# Altium PCB display.PcbDoc (part 1 of 5)
Units mm, origin at the board's own origin, x right, y up, seen from the top; angles counter-clockwise.
Board outline 150 x 85 mm, 4 copper layers (Component Side, Inner, GND1, Bottom Layer), stack 1.669 mm thick; 347 components, 347 nets, 1334 pads, 795 vias.
Unrouted connection lines stored in the file: 15.
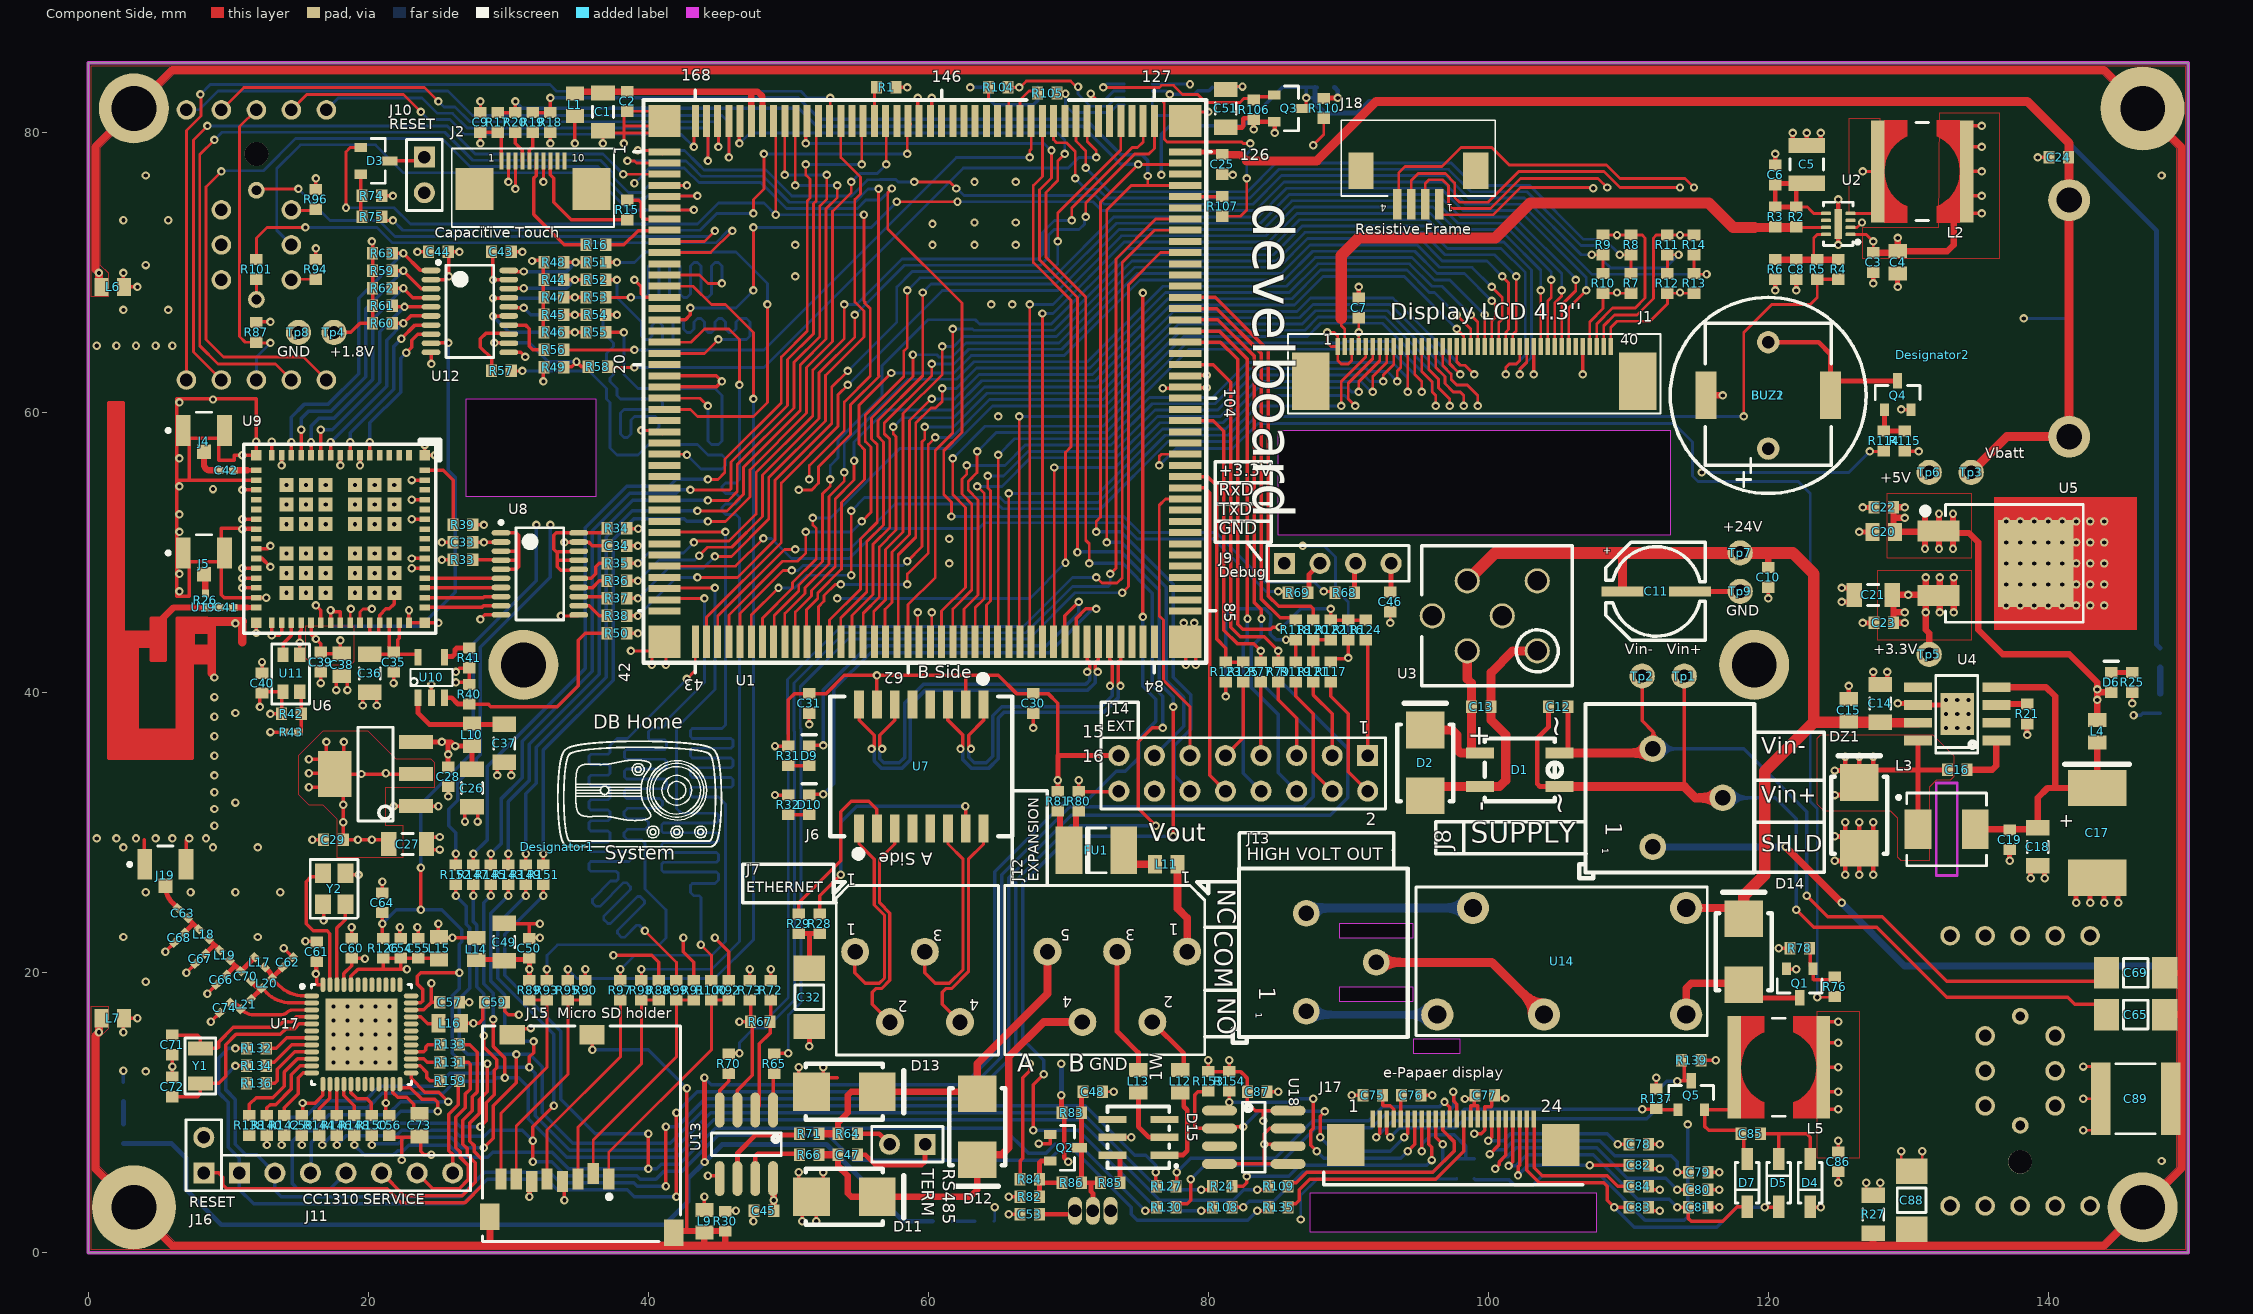
[diagram p0: Component Side view]
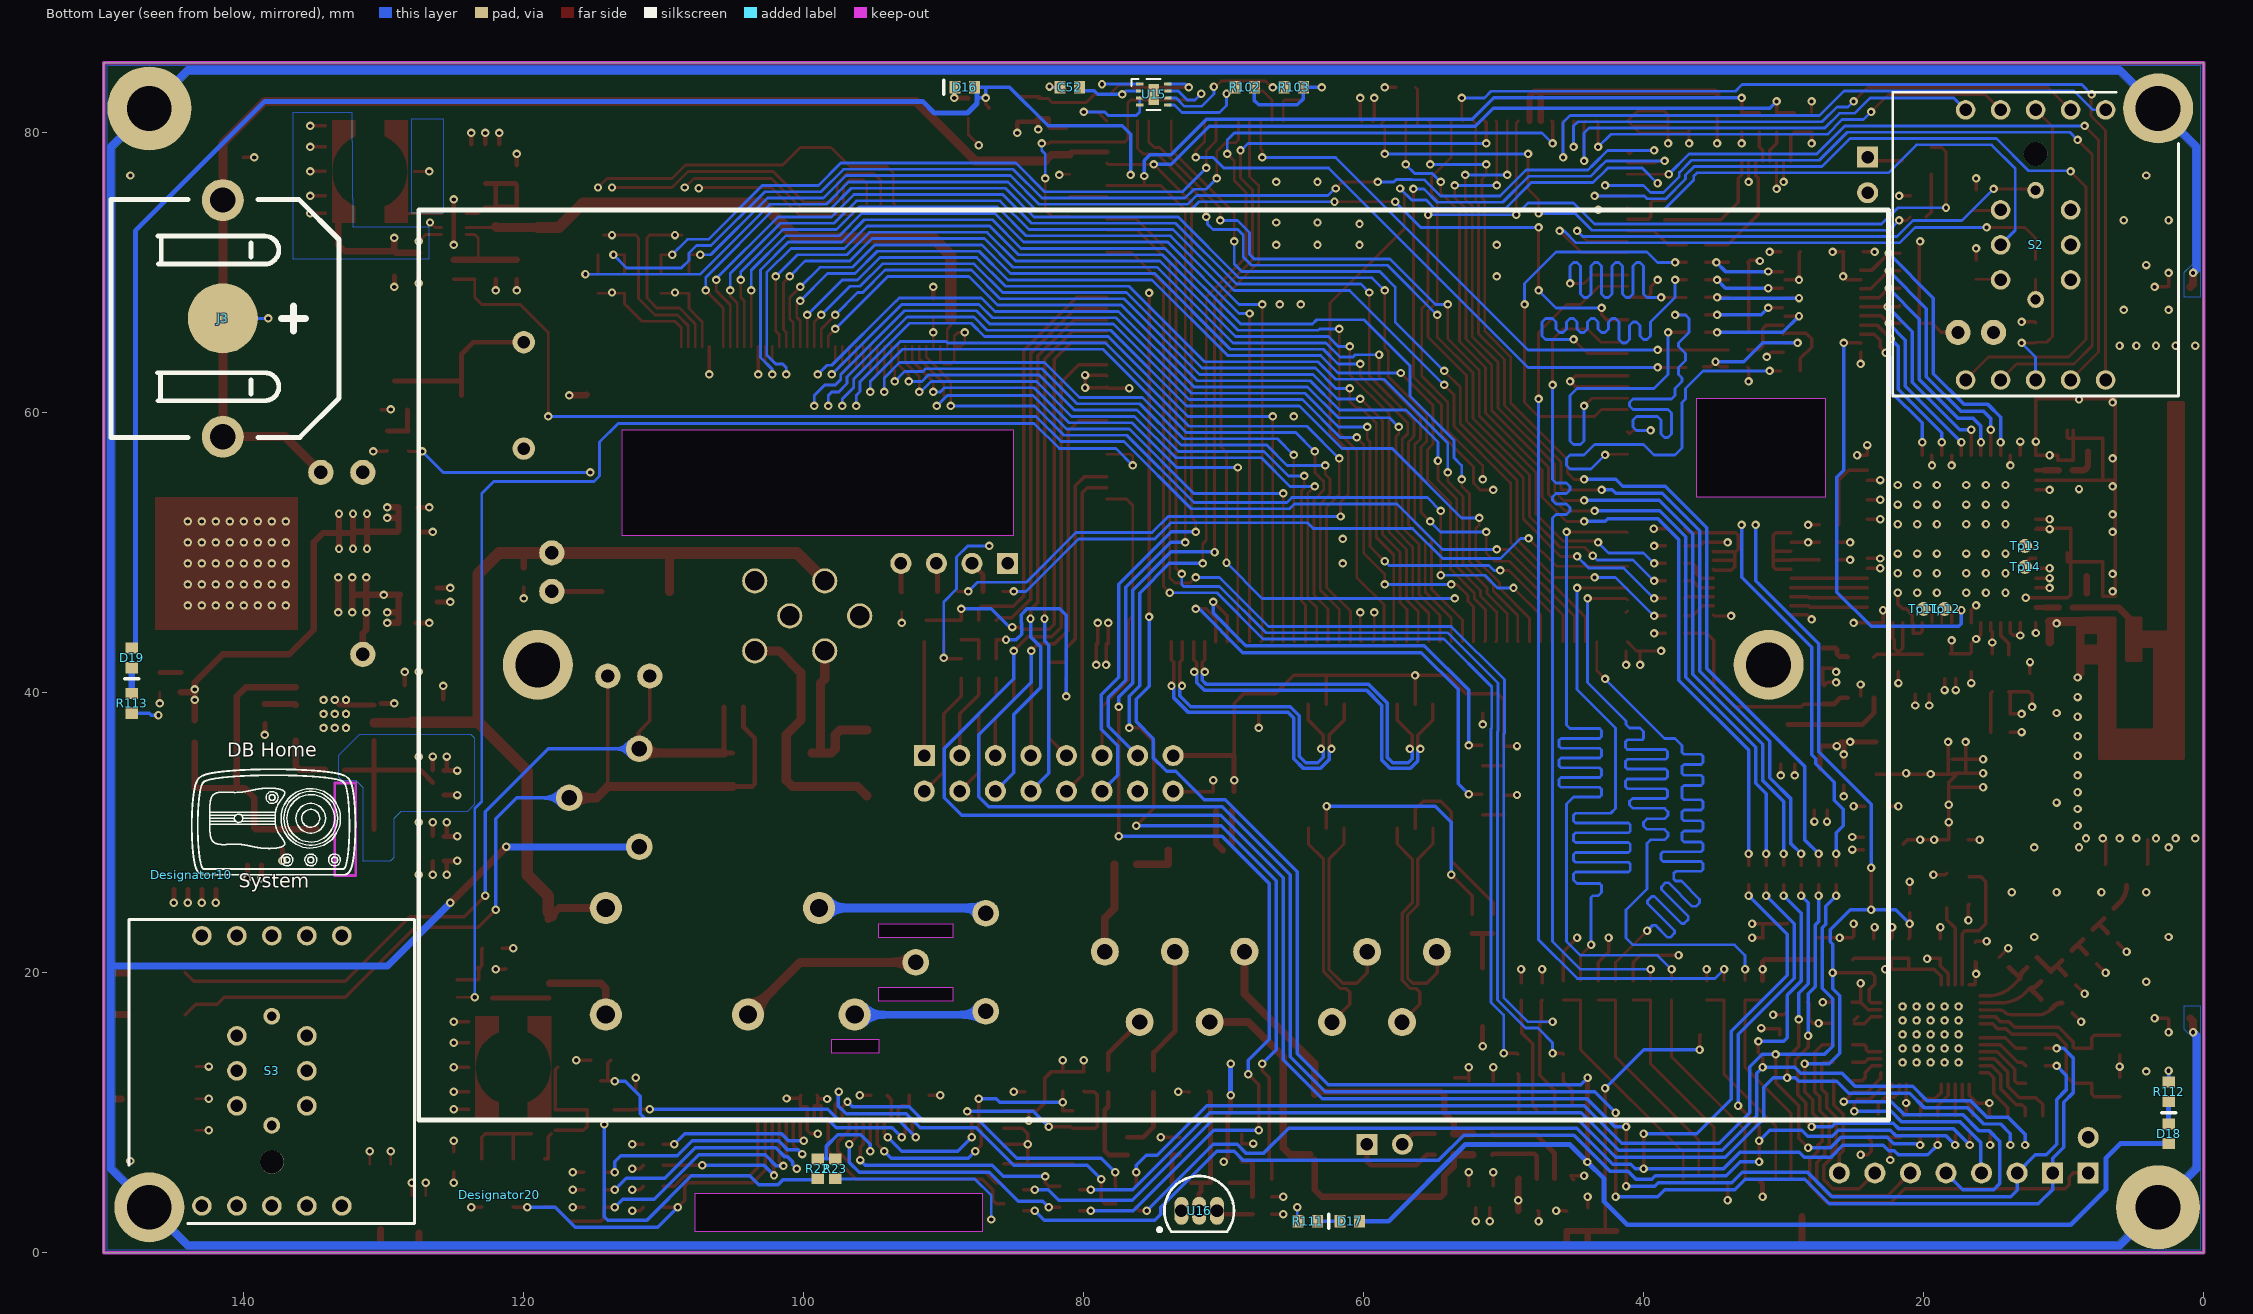
[diagram p1: Bottom Layer view, seen from below]
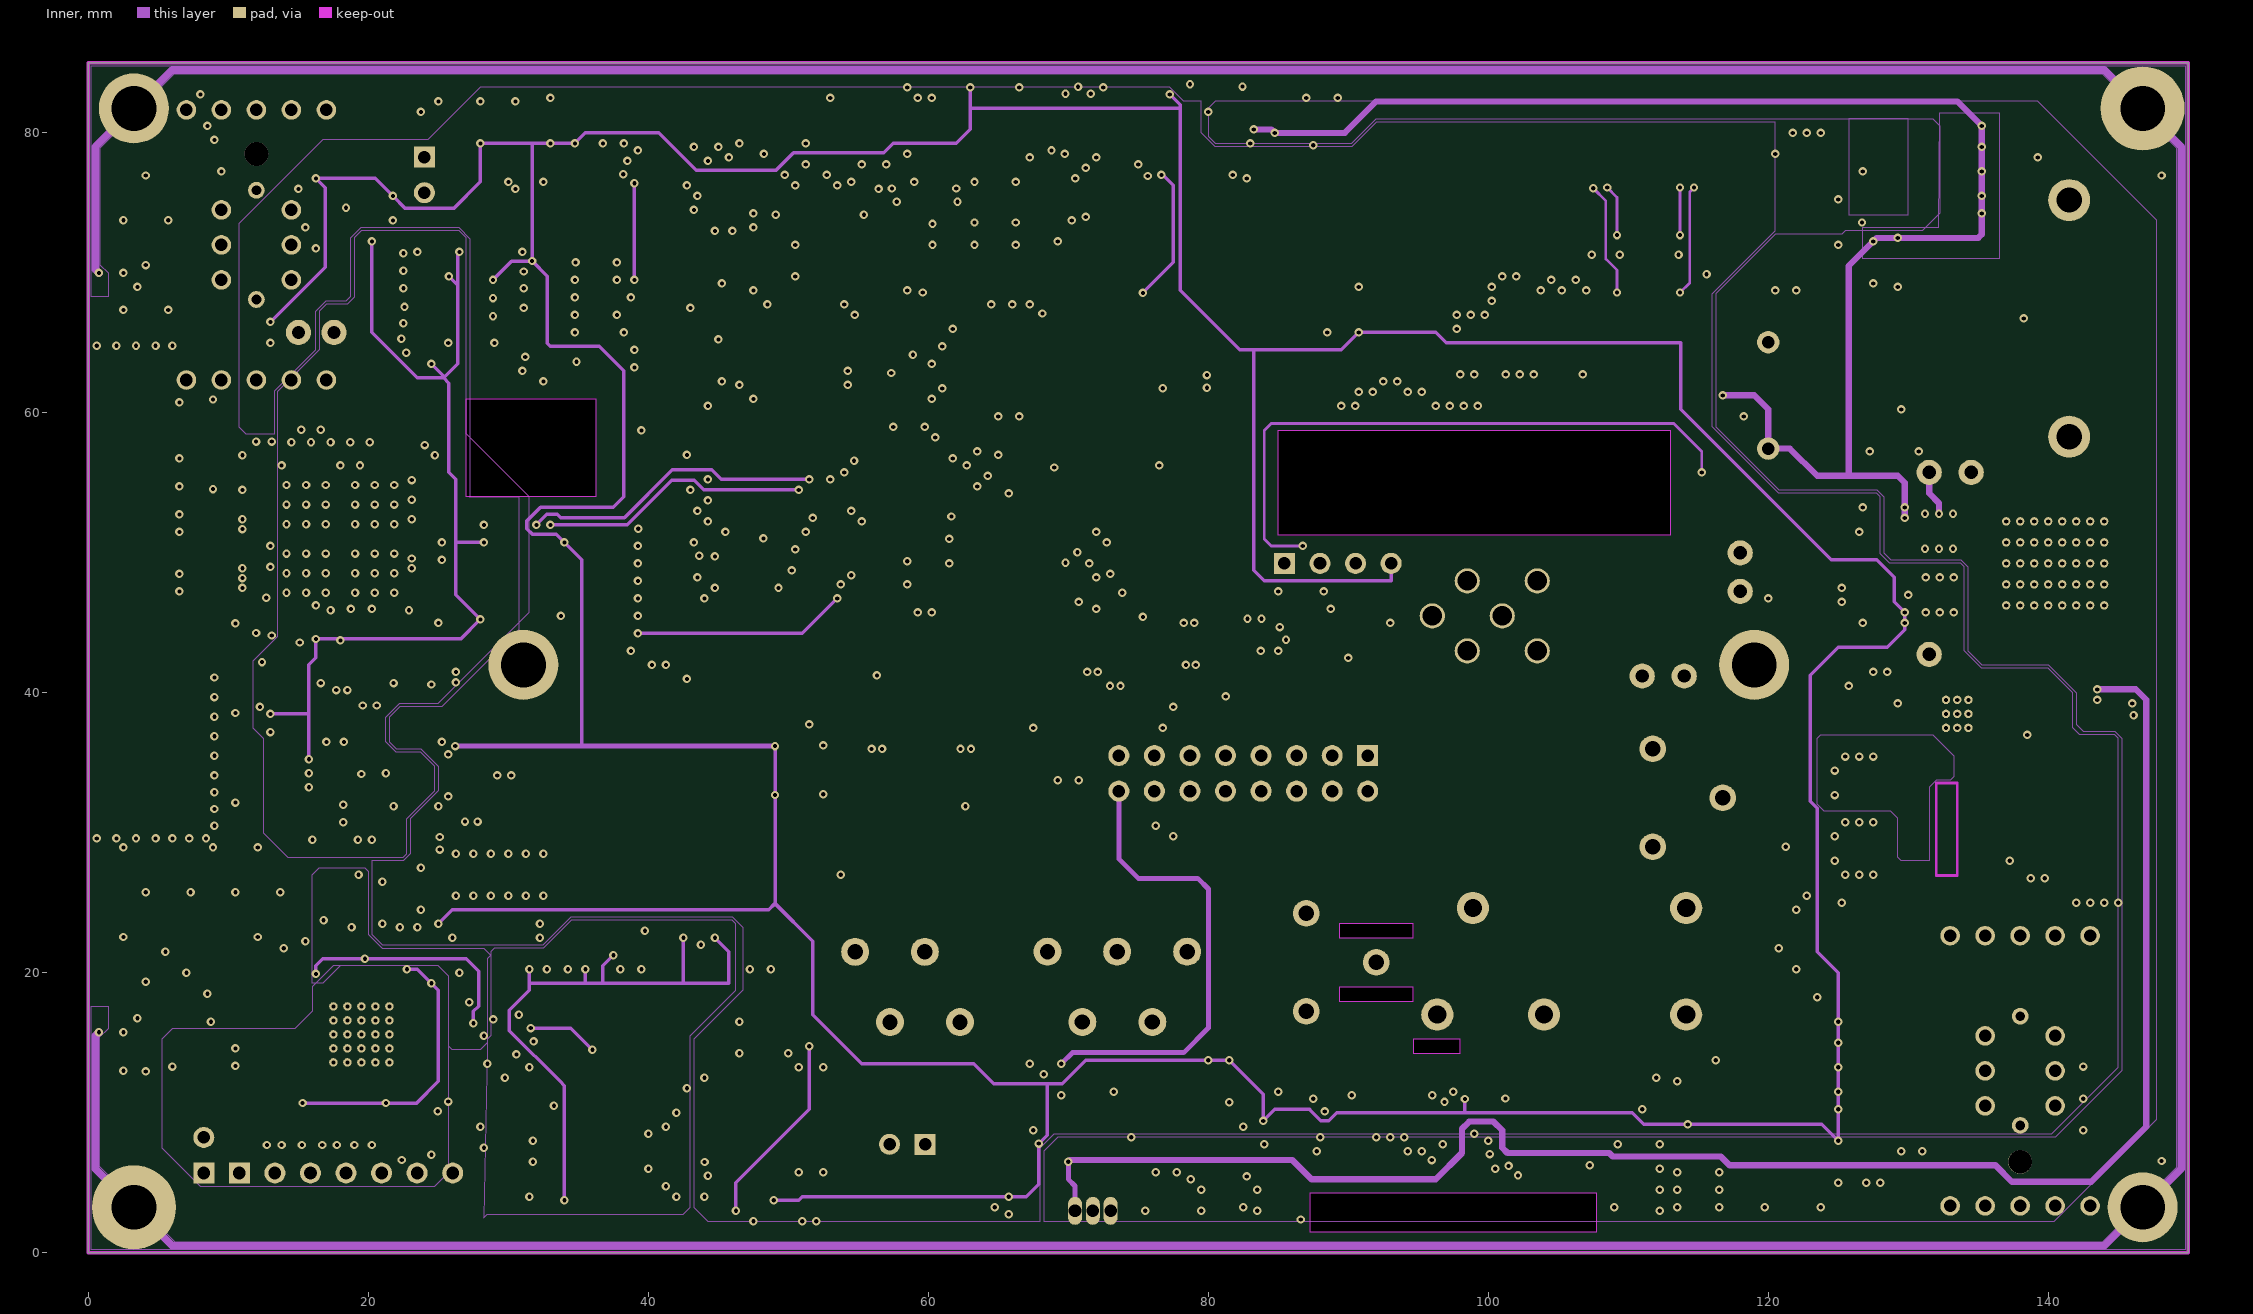
[diagram p2: Inner]
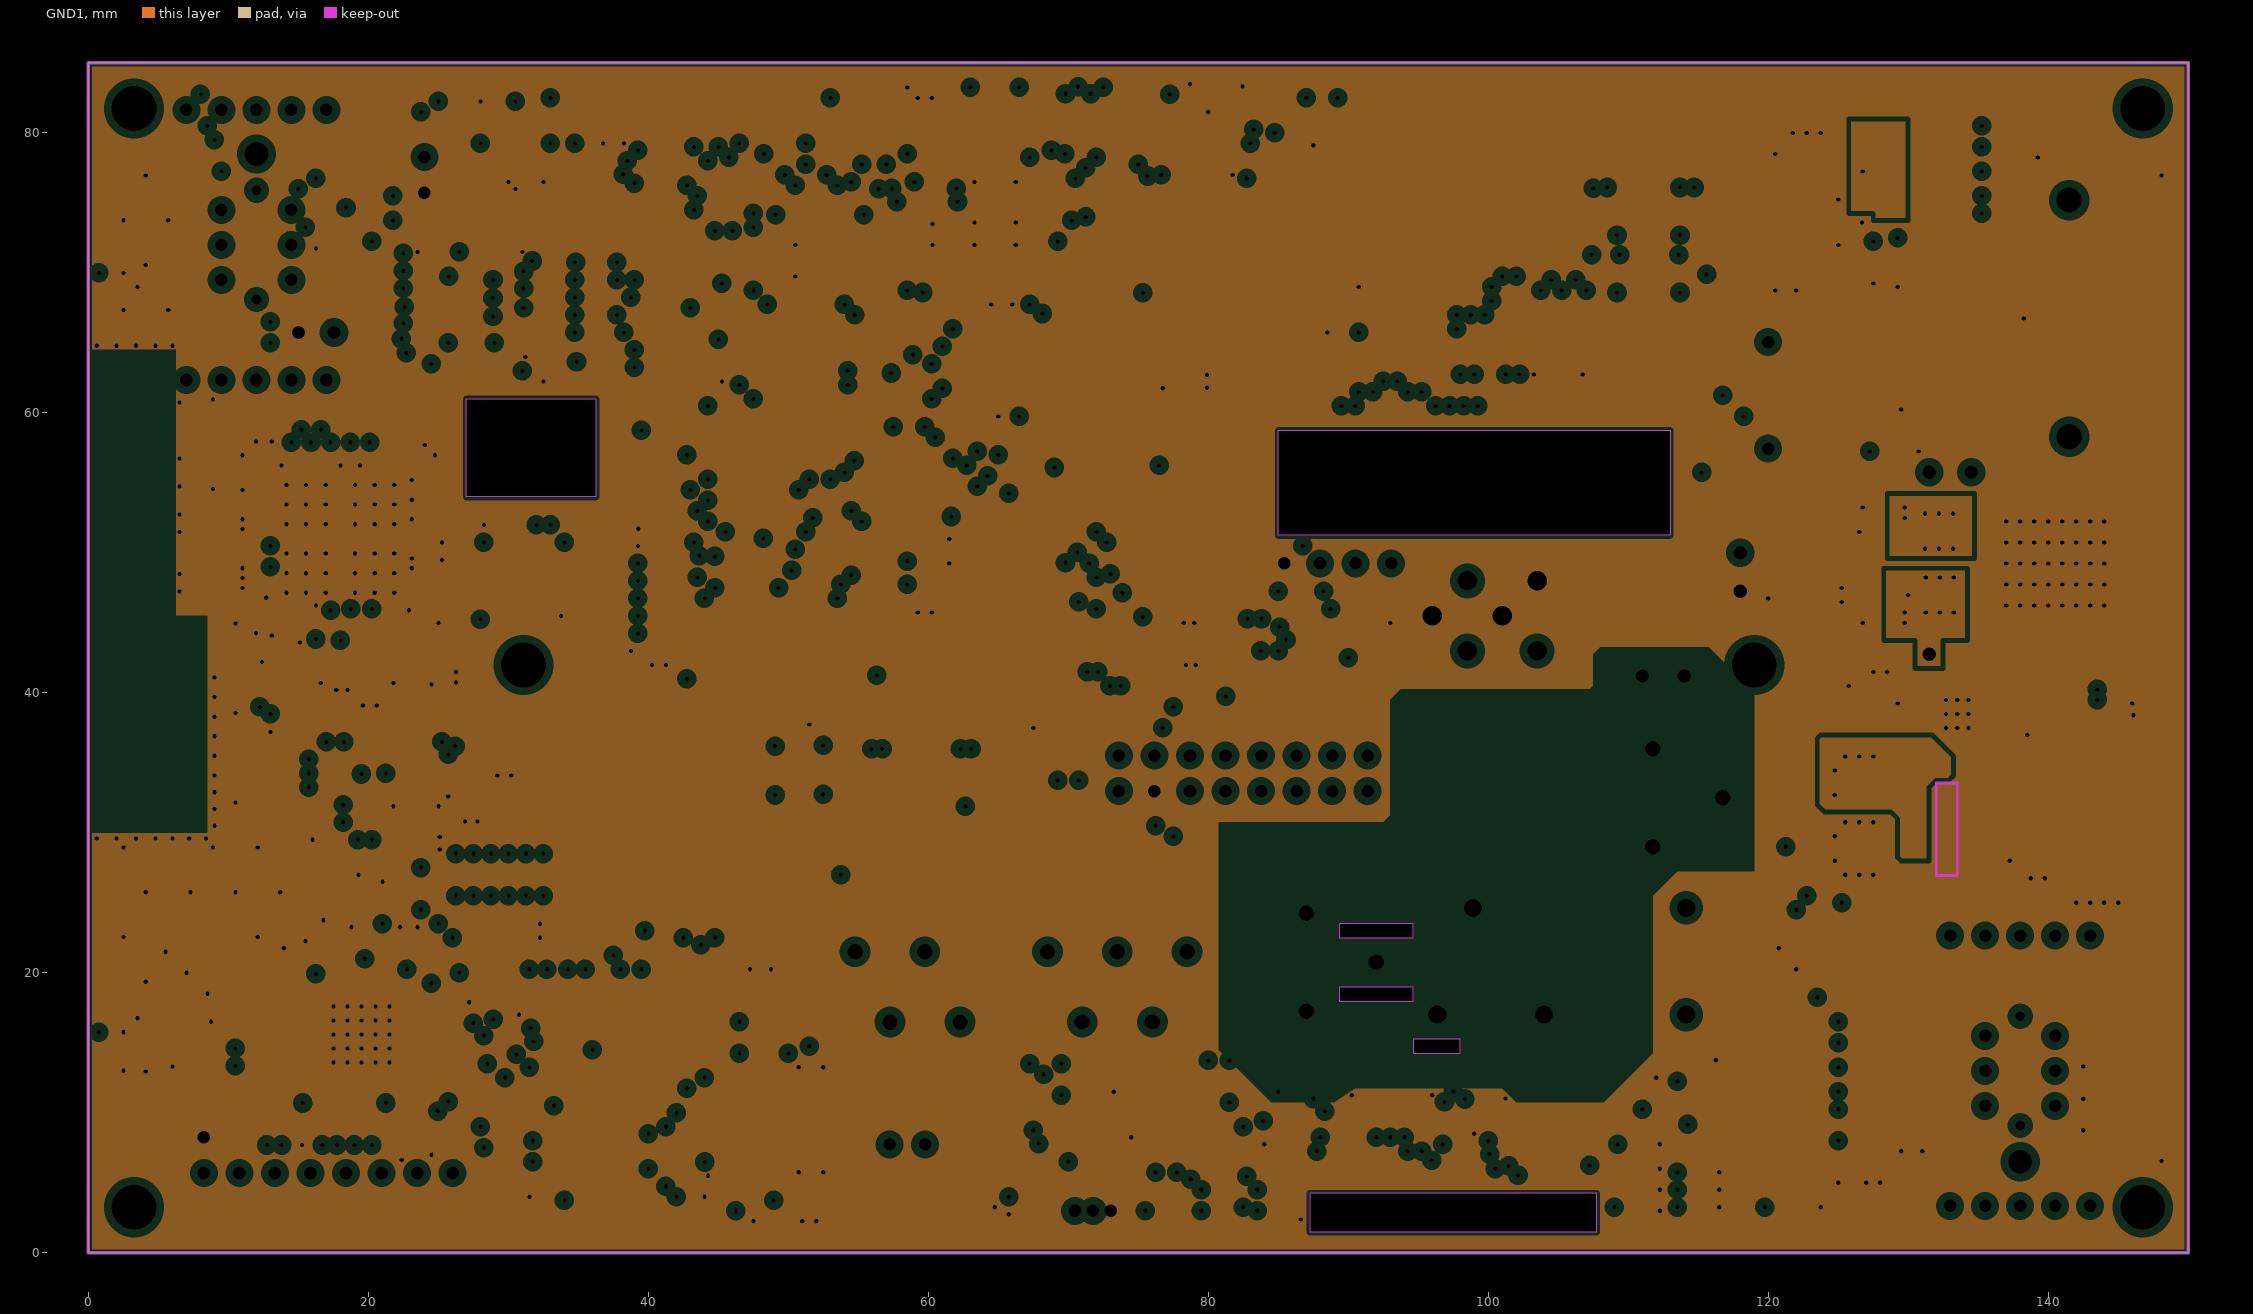
[diagram p3: GND1, clearances drawn from the general rule]

## Layer stack, top to bottom
Top Solder: solder mask 0.01, Solder Resist, Dk 3.5
Component Side: signal copper 0.0356
Dielectric 1: prepreg 0.408, IT180A 2x7628, Dk 4.2
Inner: signal copper 0.036
Dielectric 4: core 0.71, IT180A FR-4, Dk 4.2
GND1: plane copper 0.036, net (Multiple Nets)
Dielectric 5: prepreg 0.408, IT180A 2x7628, Dk 4.2
Bottom Layer: signal copper 0.0356
Solder Side: solder mask 0.01, Solder Resist, Dk 3.5

## Board outline
0,0 0,85 150,85 150,0
cut-out: 94.64,22.515 94.64,23.515 89.36,23.515 89.36,22.515
cut-out: 89.36,18.985 89.36,17.985 94.64,17.985 94.64,18.985
cut-out: 94.64,15.25 94.64,14.25 98,14.25 98,15.25
cut-out: 87.25,1.5 107.75,1.5 107.75,4.25 87.25,4.25
cut-out: 27,61 36.25,61 36.25,54 27,54
cut-out: 85,58.75 113,58.75 113,51.25 85,51.25

## Design rules (kind name [scope] priority, off if disabled: settings)
AssemblyTestpoint [All] p1: testpointundercomponent=TRUE minsize=0.5 maxsize=2.5 preferedsize=0.5 minholesize=0 maxholesize=1 preferedholesize=0 testpointgrid=0.1 usegrid=TRUE gridtolerance=0 allowsidetop=TRUE allowsidebottom=TRUE
Clearance Clearance_antenna [WithinRoom('RoomDefinition_antenna') vs InNet('NetC41_2')] p1: gap=0 ignorepadtopadclearanceinfootprint=TRUE
Clearance Clearance_keepout [OnLayer('Keep-Out Layer')] p2: gap=0.1 ignorepadtopadclearanceinfootprint=FALSE
Clearance Clearance_shld [InNet('SHLD') or InNet('NetC32_2') vs inpoly] p3: gap=0.2 ignorepadtopadclearanceinfootprint=FALSE except(0: Arc-Hole Track-Hole SMDPad-Hole THPad-Hole Via-Hole Fill-Hole Poly-Hole Region-Hole Text-Hole; 0.65: Arc-Fill Arc-Poly Arc-Region Track-Fill Track-Poly Track-Region SMDPad-Fill SMDPad-Poly SMDPad-Region THPad-Fill THPad-Poly THPad-Region Via-Fill Via-Poly Via-Region Fill-Fill Fill-Poly Fill-Region Poly-Poly Poly-Region Region-Region)
Clearance Clearance_mmc-sdio_bus [InNetClass('SDIO_LOWBUS', 'SDIO_BUS', 'SDIO') or InNetClass('mmc', 'mmc_con') vs inpoly] p4: gap=0.35 ignorepadtopadclearanceinfootprint=FALSE except(0: Arc-Hole Track-Hole SMDPad-Hole THPad-Hole Via-Hole Fill-Hole Poly-Hole Region-Hole Text-Hole; 0.25: Arc-Arc; 0.5: Arc-Fill Arc-Poly Arc-Region Track-Fill Track-Poly Track-Region SMDPad-Fill SMDPad-Poly SMDPad-Region THPad-Fill THPad-Poly THPad-Region Via-Fill Via-Poly Via-Region Fill-Fill Fill-Poly Fill-Region Poly-Poly Poly-Region Region-Region)
Clearance Clearance_Lswitch [InComponent('L4') vs OnLayer('Keep-Out Layer')] p5: gap=0.1 ignorepadtopadclearanceinfootprint=FALSE except(0: Arc-Hole Track-Hole SMDPad-Hole THPad-Hole Via-Hole Fill-Hole Poly-Hole Region-Hole Text-Hole)
Clearance Clearance_components_015 [hasfootprint('SOT-563') or hasfootprint('QFN-32') or hasfootprint('fcc-zif_10pin_0.5mm') or HasFootprint('PQFN50P300X200X75_HS-9L') or HasFootprint('PQFN50P700X700X100-48N') or HasFootprint('fcc-zif_40pin_0.5mm') or HasFootprint('fcc-zif_24pin_0.5mm')or  HasFootprint('QFN_SFH7771')] p6: gap=0.15 ignorepadtopadclearanceinfootprint=FALSE except(0: Arc-Hole Track-Hole SMDPad-Hole THPad-Hole Via-Hole Fill-Hole Poly-Hole Region-Hole Text-Hole; 0.5: Track-Poly Track-Region)
Clearance Clearance_components_025 [hasfootprint('WL18XX_E-13.4X13.3-N100_0.75') or HasFootprint('micro_sd_holder_pp') or hasfootprint('develboard_footprint') or hasfootprint('TSOP65P640X120-20L') or hasfootprint('usb_typeB_mini_smd') or hasfootprint('USB_TYPEA_DOUBLE_THD') or HasFootprint('TO-92')] p7: gap=0.25 ignorepadtopadclearanceinfootprint=FALSE except(0: Arc-Hole Track-Hole SMDPad-Hole THPad-Hole Via-Hole Fill-Hole Poly-Hole Region-Hole Text-Hole)
Clearance Clearance_diff_eth_bus [InDifferentialPair('crx', 'ctx') or InDifferentialPair('rx', 'tx') vs not WithinRoom('RoomDefinition')] p8: gap=0.9 ignorepadtopadclearanceinfootprint=FALSE except(0: Arc-Hole Track-Hole SMDPad-Hole THPad-Hole Via-Hole Fill-Hole Poly-Hole Region-Hole Text-Hole)
Clearance Clearance_diff_rs485 [InNet('RS485_A') or InNet('RS485_B') vs InPoly] p9: gap=0.35 ignorepadtopadclearanceinfootprint=FALSE except(0.55: Arc-Fill Arc-Poly Arc-Region Track-Fill Track-Poly Track-Region SMDPad-Fill SMDPad-Poly SMDPad-Region THPad-Fill THPad-Poly THPad-Region Via-Fill Via-Poly Via-Region Fill-Fill Fill-Poly Fill-Region Poly-Poly Poly-Region Region-Region)
Clearance Clearance_diff_usb_bus [InDifferentialPair('USB1') or InDifferentialPair('USB2') vs not (WithinRoom('Usb_filter') or WithinRoom('Usb_develboard'))] p10: gap=1 ignorepadtopadclearanceinfootprint=FALSE except(0: Arc-Hole Track-Hole SMDPad-Hole THPad-Hole Via-Hole Fill-Hole Poly-Hole Region-Hole Text-Hole)
Clearance Clearance_+24 [innet('+24V', '-VIN', '+VIN') and ((ObjectKind = 'Track') And (AsMM(Width) > 0.35)) vs not WithinRoom('Eth_pin_header')] p11: gap=0.55 ignorepadtopadclearanceinfootprint=FALSE except(0: Arc-Hole Track-Hole SMDPad-Hole THPad-Hole Via-Hole Fill-Hole Poly-Hole Region-Hole Text-Hole)
Clearance poly-poweline [InNetClass('Power') or innet('GND') vs inpoly] p12: gap=0.2 ignorepadtopadclearanceinfootprint=FALSE except(0: Arc-Hole Track-Hole SMDPad-Hole THPad-Hole Via-Hole Fill-Hole Poly-Hole Region-Hole Text-Hole; 0.4: Arc-Via Track-Via SMDPad-Via THPad-Via Via-Via; 0.45: Arc-Fill Arc-Poly Track-Fill Track-Poly SMDPad-Fill SMDPad-Poly THPad-Fill THPad-Poly Via-Fill Via-Poly Fill-Fill Fill-Poly Poly-Poly)
Clearance Clearance_025 [(ObjectKind = 'Track') And (AsMM(Width) <= 0.3) vs not InAnyDifferentialPair] p13: gap=0.25 ignorepadtopadclearanceinfootprint=FALSE except(0: Arc-Hole Track-Hole SMDPad-Hole THPad-Hole Via-Hole Fill-Hole Poly-Hole Region-Hole Text-Hole)
Clearance Clearance_035 [All vs not (InAnyDifferentialPair or WithinRoom('Eth_pin_header') or WithinRoom('Eth_connector') or WithinRoom('Usb_filter'))] p14: gap=0.35 ignorepadtopadclearanceinfootprint=FALSE except(0: Arc-Hole Track-Hole SMDPad-Hole THPad-Hole Via-Hole Fill-Hole Poly-Hole Region-Hole Text-Hole; 0.25: Arc-Arc; 0.5: Track-Fill Track-Poly)
ComponentClearance ComponentClearance_1 [InComponent('U19')] p1: gap=0 collisioncheckmode=3 verticalgap=0 showdistances=FALSE
ComponentClearance ComponentClearance_radio [InComponent('J16') vs InComponent('J11')] p2: gap=0 collisioncheckmode=3 verticalgap=0 showdistances=FALSE
ComponentClearance ComponentClearance_buzz [InComponent('BUZ1') vs InComponent('BUZ2')] p3: gap=0 collisioncheckmode=3 verticalgap=0 showdistances=FALSE
ComponentClearance [All] p4: gap=0.15 collisioncheckmode=3 verticalgap=0.15 showdistances=FALSE
DiffPairsRouting DiffPairsRouting_eth [InDifferentialPair('ctx', 'crx') or InDifferentialPair('tx', 'rx')] p1: maxlimit=0.18 minlimit=0.15 mostfreqgap=0.15 toplayer_minwidth=0.23 toplayer_maxwidth=0.27 toplayer_prefwidth=0.25 midlayer1_minwidth=0.23 midlayer1_maxwidth=0.27 midlayer1_prefwidth=0.25 bottomlayer_minwidth=0.23 bottomlayer_maxwidth=0.27 bottomlayer_prefwidth=0.25 maxuncoupledlength=20
FabricationTestPointUsage TestPointUsage [All] p1: valid=0 allowmultiple=FALSE
FabricationTestPointUsage [All] p2: valid=0 allowmultiple=FALSE
FabricationTestpoint Testpoint [All] p1: side=3 testpointundercomponent=TRUE minsize=1.016 maxsize=2.54 preferedsize=1.524 minholesize=0.508 maxholesize=1.016 preferedholesize=0.813 testpointgrid=0.025 allowsidetop=TRUE allowsidebottom=TRUE usegrid=TRUE gridtolerance=0
FabricationTestpoint [All] p2: side=3 testpointundercomponent=TRUE minsize=0.5 maxsize=2.5 preferedsize=0.5 minholesize=0 maxholesize=1 preferedholesize=0 testpointgrid=0.1 allowsidetop=TRUE allowsidebottom=TRUE usegrid=TRUE gridtolerance=0
Height [All] p1: minheight=0 maxheight=30 prefheight=16
HoleSize [All] p1: absolutevalues=TRUE maxlimit=3.5 minlimit=0.25 maxpercent=80.000 minpercent=20.000
MatchedLengths MatchedLengths_usb3rx [InDifferentialPair('SRX','STX')] p1: tolerance=0.125 checknetsindiffpair=TRUE checkdiffpairvsdiffpair=FALSE checkxsignals=FALSE checkothers=FALSE
MatchedLengths MatchedLengths_usb3tx [InDifferentialPair('SSRX','SSTX')] p2: tolerance=0.125 checknetsindiffpair=TRUE checkdiffpairvsdiffpair=FALSE checkxsignals=FALSE checkothers=FALSE
MatchedLengths DiffPair_MatchedLengths [InDifferentialPair('E0', 'e1', 'e2', 'e3') or InDifferentialPair('MX1', 'MX2','MX3','MX4')] p3: tolerance=0.75 checknetsindiffpair=TRUE checkdiffpairvsdiffpair=FALSE checkxsignals=FALSE checkothers=FALSE
MatchedLengths DiffPair_MatchedLengths_usb [InDifferentialPair('U0', 'UU0')  or InDifferentialPair('U1', 'UU1')] p4: tolerance=0.25 checknetsindiffpair=TRUE checkdiffpairvsdiffpair=FALSE checkxsignals=FALSE checkothers=FALSE
MinimumSolderMaskSliver MinimumSolderMaskSliver_antenna [HasFootprint('ANTENNA_PCB_IFA')] p1: minsoldermaskwidth=0
MinimumSolderMaskSliver [All] p2: minsoldermaskwidth=0.05
PlaneClearance PlaneClearance_diff [InAnyDifferentialPair] p1: clearance=1.2
PlaneClearance PlaneClearance_hole [(ObjectKind = 'Pad') And (Net = 'No Net') And (Name = 'J1-Hole') And (AsMM(HoleDiameter) = 2.8)] p2: clearance=0.5
PlaneClearance [All] p3: clearance=0.55
PlaneConnect PlaneConnect_sub-giga [(ObjectKind = 'Pad') And (Name = 'U17-49')] p1: planeconnectstyle=Direct reliefexpansion=0.508 reliefentries=4 reliefconductorwidth=0.254 reliefairgap=0.254
PlaneConnect PlaneConnect_2 [(ObjectKind = 'Pad') And (Name = 'U5-2')] p2: planeconnectstyle=Direct reliefexpansion=0.508 reliefentries=4 reliefconductorwidth=0.254 reliefairgap=0.254
PlaneConnect PlaneConnect_1 [(ObjectKind = 'Pad') And (Name = 'U4-9')] p3: planeconnectstyle=Direct reliefexpansion=0.508 reliefentries=4 reliefconductorwidth=0.254 reliefairgap=0.254
PlaneConnect PlaneConnect_isvia [IsVia] p4: planeconnectstyle=Direct reliefexpansion=0.508 reliefentries=4 reliefconductorwidth=0.254 reliefairgap=0.254
PlaneConnect [All] p5: planeconnectstyle=Relief reliefexpansion=0.25 reliefentries=4 reliefconductorwidth=0.35 reliefairgap=0.25
PolygonConnect PolygonConnect_sub_giga [(ObjectKind = 'Pad') And (Name = 'U17-49')] p1: connectstyle=Direct reliefconductorwidth=0.254 reliefentries=4 polygonreliefangle="90 Angle" airgapwidth=0.254
PolygonConnect PolygonConnect_4 [(ObjectKind = 'Pad') And (Name = 'U5-2')] p2: connectstyle=Direct reliefconductorwidth=0.254 reliefentries=4 polygonreliefangle="90 Angle" airgapwidth=0.254
PolygonConnect PolygonConnect_3 [(ObjectKind = 'Pad') And (Name = 'U4-9')] p3: connectstyle=Direct reliefconductorwidth=0.254 reliefentries=4 polygonreliefangle="90 Angle" airgapwidth=0.254
PolygonConnect PolygonConnect_2 [HasFootprint('TEST_POINT_THD_D1.8MM')] p4: connectstyle=Direct reliefconductorwidth=0.254 reliefentries=4 polygonreliefangle="90 Angle" airgapwidth=0.254
PolygonConnect PolygonConnect_1 [(ObjectKind = 'Pad') And (Name = 'Free-HOLE')] p5: connectstyle=Direct reliefconductorwidth=0.254 reliefentries=4 polygonreliefangle="90 Angle" airgapwidth=0.254
PolygonConnect PolygonConnect_via [isvia] p6: connectstyle=Direct reliefconductorwidth=0.35 reliefentries=4 polygonreliefangle="45 Angle" airgapwidth=0.254
PolygonConnect [All] p7: connectstyle=Relief reliefconductorwidth=0.45 reliefentries=4 polygonreliefangle="90 Angle" airgapwidth=0.35
RoutingVias [All] p1: holewidth=0.3 width=0.6 viastyle="Through Hole" minholewidth=0.25 minwidth=0.5 maxholewidth=0.8 maxwidth=1.6
ShortCircuit ShortCircuit_antenna [WithinRoom('RoomDefinition_antenna')] p1: allowed=TRUE
ShortCircuit [All] p2: allowed=FALSE
SilkToSilkClearance [All] p1: silktosilkclearance=0
SilkToSolderMaskClearance SilkscreenOverComponentPads [IsPad] p1: minsilkscreentomaskgap=0.1 clearancetoexposedcopper=TRUE
SolderMaskExpansion SolderMaskExpansion_antenna [HasFootprint('ANTENNA_PCB_IFA')] p1: expansion=-10
SolderMaskExpansion SolderMaskExpansion_via [isvia] p2: expansion=-10
SolderMaskExpansion [All] p3: expansion=0.05
ViasUnderSMD VIA_UnderSMD_1 [(Name = 'L18-1') Or (Name = 'L18-2') Or (Name = 'Y1-1') Or (Name = 'Y1-2') Or (Name = 'Y2-1') Or (Name = 'Y2-2')] p1: allowed=TRUE
Width [All] p1: maxlimit=10 minlimit=0.2 preferedwidth=0.35 minimp=50.000000 maximp=50.000000 favimp=50.000000
17 further rules are at their usual default settings.
